# Altium PCB PROC054D_MMWCAS_RF_EVM_ASCII.PcbDoc (part 2 of 13)
Units mil, origin at the board's own origin, x right, y up, seen from the top; angles counter-clockwise.
Board outline 6299.21 x 5370.07 mil, 8 copper layers (L1 TOP, L2 GND, L3 SIGNAL 1, L4 GND, L5 SIGNAL 2, L6 SIGNAL 3, L7 GND, L8 BOTTOM), stack 53.5 mil thick; 775 components, 552 nets, 2648 pads, 7845 vias.
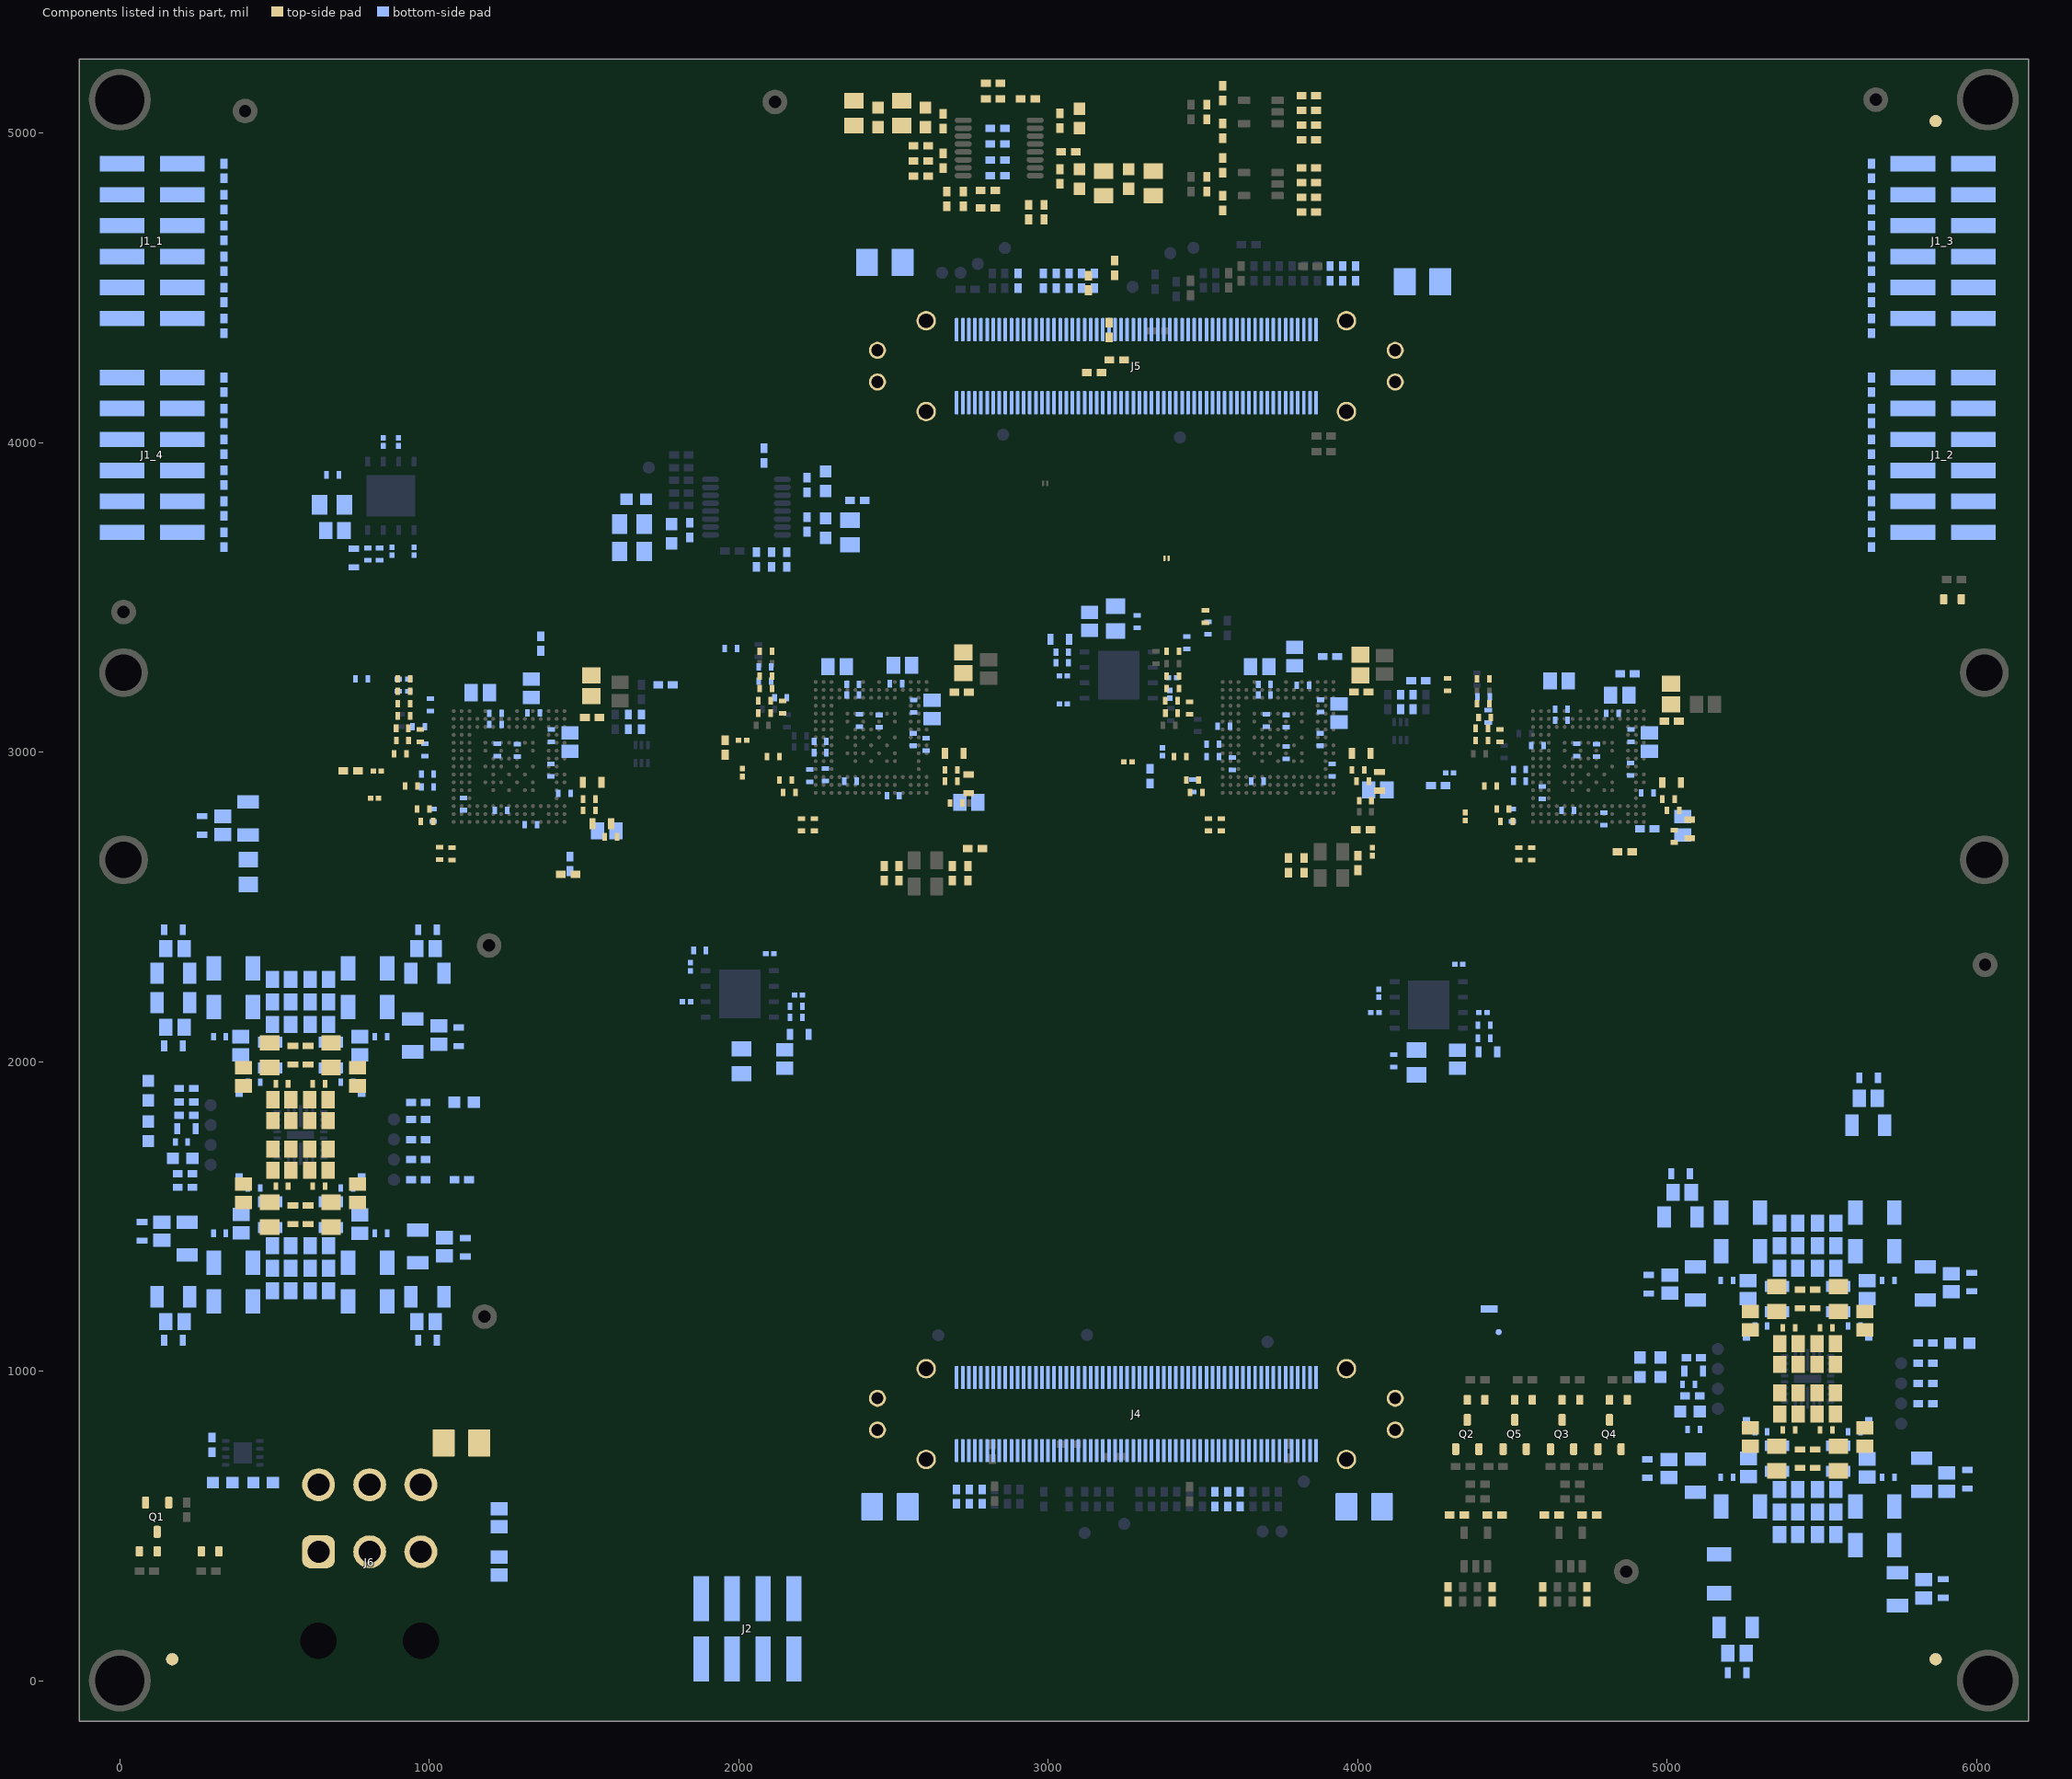
[diagram p8: the components of this part, seen from the top]

## Classes and differential pairs (continued)
net class "LC Power": AWR_1_1V0_RF1_FILT AWR_1_1V0_RF2_FILT AWR_1_1V2_FILT AWR_1_1V8_FILT AWR_2_1V0_RF1_FILT AWR_2_1V0_RF2_FILT AWR_2_1V2_FILT AWR_2_1V8_FILT AWR_3_1V0_RF1_FILT AWR_3_1V0_RF2_FILT AWR_3_1V2_FILT AWR_3_1V8_FILT AWR_4_1V0_RF1_FILT AWR_4_1V0_RF2_FILT AWR_4_1V2_FILT AWR_4_1V8_FILT
net class AWR_SYNC: AWR_1_DIG_SYNCIN AWR_1_DIG_SYNCIN_RS AWR_1_DIG_SYNCOUT AWR_2_DIG_SYNCIN AWR_2_DIG_SYNCIN_RS AWR_2_DIG_SYNCOUT AWR_3_DIG_SYNCIN AWR_3_DIG_SYNCIN_RS AWR_3_DIG_SYNCOUT AWR_4_DIG_SYNCIN AWR_4_DIG_SYNCIN_RS AWR_4_DIG_SYNCOUT DIG_SYNC_SOURCE DIG_SYNCOUT_RS_1 DIG_SYNCOUT_RS_2 DIG_SYNCOUT_RS_3 DIG_SYNCOUT_RS_4 EXT_DIG_SYNC
net class AWR_CLOCK: 40M_BUF_IN_PRIMAWRY 40M_BUF_IN_SECONDAWRY AWR_1_MCU_CLKOUT AWR_1_MCU_CLKOUT_CONN AWR_1_MCU_CLKOUT_RS AWR_1_OSC_CLKOUT AWR_1_OSC_CLKOUT_CONN AWR_1_PMIC_CLKOUT AWR_1_XTAL_CLKM AWR_1_XTAL_CLKP AWR_1_XTALP_RS AWR_2_MCU_CLKOUT AWR_2_OSC_CLKOUT AWR_2_PMIC_CLKOUT AWR_2_XTAL_CLKM AWR_2_XTAL_CLKP AWR_3_MCU_CLKOUT AWR_3_OSC_CLKOUT AWR_3_OSC_CLKOUT_CONN AWR_3_PMIC_CLKOUT AWR_3_XTAL_CLKM AWR_3_XTAL_CLKP AWR_3_XTALP_RS AWR_4_MCU_CLKOUT AWR_4_OSC_CLKOUT AWR_4_PMIC_CLKOUT AWR_4_XTAL_CLKM AWR_4_XTAL_CLKP BUF_CLKOUT1 BUF_CLKOUT1_RS BUF_CLKOUT2_RS BUF_CLKOUT3 BUF_CLKOUT3_RS BUF_CLKOUT4_RS EXT_40M_BUF_AWR_1_RS EXT_40MHZ_CLK_1V8 MCU_CLKOUT_RS_1 MCU_CLKOUT_RS_2 MCU_CLKOUT_RS_3 MCU_CLKOUT_RS_4 OSC_CLKOUT_RS_1 OSC_CLKOUT_RS_2 OSC_CLKOUT_RS_3 OSC_CLKOUT_RS_4 PMIC_CLKOUT_RS_1 PMIC_CLKOUT_RS_2 PMIC_CLKOUT_RS_3 PMIC_CLKOUT_RS_4
net class AWR_FMCW_20G: AWR_1_FMCW_CLKOUT AWR_1_FMCW_SYNCOUT AWR_2_FMCW_CLKOUT AWR_2_FMCW_SYNCOUT AWR_3_FMCW_CLKOUT AWR_3_FMCW_SYNCOUT AWR_4_FMCW_CLKOUT AWR_4_FMCW_SYNCOUT
net class 12XX_GENERAL: AWR_1_SPI_CLK1 AWR_1_SPI_CS1 AWR_1_SPI_HOST_INTR1 AWR_1_SPI_MISO1 AWR_1_SPI_MOSI1 AWR_2_SPI_CLK1 AWR_2_SPI_CS1 AWR_2_SPI_HOST_INTR1 AWR_2_SPI_MISO1 AWR_2_SPI_MOSI1 AWR_3_SPI_CLK1 AWR_3_SPI_CS1 AWR_3_SPI_HOST_INTR1 AWR_3_SPI_MISO1 AWR_3_SPI_MOSI1 AWR_4_SPI_CLK1 AWR_4_SPI_CS1 AWR_4_SPI_HOST_INTR1 AWR_4_SPI_MISO1 AWR_4_SPI_MOSI1 SPI_HOST_INTR1_RS_1 SPI_HOST_INTR1_RS_2 SPI_HOST_INTR1_RS_3 SPI_HOST_INTR1_RS_4 SPI_MISO1_RS_1 SPI_MISO1_RS_2 SPI_MISO1_RS_3 SPI_MISO1_RS_4
net class AWR_JTAG: AWR_1_TCK AWR_1_TDI AWR_1_TDO AWR_1_TMS AWR_2_TCK AWR_2_TDI AWR_2_TDO AWR_2_TMS AWR_3_TCK AWR_3_TDI AWR_3_TDO AWR_3_TMS AWR_4_TCK AWR_4_TDI AWR_4_TDO AWR_4_TMS TDO_RS_1 TDO_RS_2 TDO_RS_3 TDO_RS_4
net class "Back Drill Nets": AWR_1_FMCW_CLKOUT AWR_1_FMCW_SYNCOUT AWR_3_FMCW_CLKOUT
component class AWR_4: R174_4 R175_4 R176_4 R177_4 R178_4 R179_4 R180_4 R181_4 R182_4 R183_4 R184_4 R185_4
differential pair 12XX_4_LVDS_VALID: +AWR_4_LVDS_VALID_P -AWR_4_LVDS_VALID_N
differential pair 12XX_4_LVDS_FRCLK: +AWR_4_LVDS_FRCLK_P -AWR_4_LVDS_FRCLK_N
differential pair 12XX_4_CSI2_TX3: +AWR_4_CSI2_TX3_P -AWR_4_CSI2_TX3_N
differential pair 12XX_4_CSI2_TX2: +AWR_4_CSI2_TX2_P -AWR_4_CSI2_TX2_N
differential pair 12XX_4_CSI2_TX1: +AWR_4_CSI2_TX1_P -AWR_4_CSI2_TX1_N
differential pair 12XX_4_CSI2_TX0: +AWR_4_CSI2_TX0_P -AWR_4_CSI2_TX0_N
differential pair 12XX_4_CSI2_CLK: +AWR_4_CSI2_CLK_P -AWR_4_CSI2_CLK_N
differential pair 12XX_3_LVDS_VALID: +AWR_3_LVDS_VALID_P -AWR_3_LVDS_VALID_N
differential pair 12XX_3_LVDS_FRCLK: +AWR_3_LVDS_FRCLK_P -AWR_3_LVDS_FRCLK_N
differential pair 12XX_3_CSI2_TX3: +AWR_3_CSI2_TX3_P -AWR_3_CSI2_TX3_N
differential pair 12XX_3_CSI2_TX2: +AWR_3_CSI2_TX2_P -AWR_3_CSI2_TX2_N
differential pair 12XX_3_CSI2_TX1: +AWR_3_CSI2_TX1_P -AWR_3_CSI2_TX1_N
differential pair 12XX_3_CSI2_TX0: +AWR_3_CSI2_TX0_P -AWR_3_CSI2_TX0_N
differential pair 12XX_3_CSI2_CLK: +AWR_3_CSI2_CLK_P -AWR_3_CSI2_CLK_N
differential pair 12XX_2_LVDS_VALID: +AWR_2_LVDS_VALID_P -AWR_2_LVDS_VALID_N
differential pair 12XX_2_LVDS_FRCLK: +AWR_2_LVDS_FRCLK_P -AWR_2_LVDS_FRCLK_N
differential pair 12XX_2_CSI2_TX3: +AWR_2_CSI2_TX3_P -AWR_2_CSI2_TX3_N
differential pair 12XX_2_CSI2_TX2: +AWR_2_CSI2_TX2_P -AWR_2_CSI2_TX2_N
differential pair 12XX_2_CSI2_TX1: +AWR_2_CSI2_TX1_P -AWR_2_CSI2_TX1_N
differential pair 12XX_2_CSI2_TX0: +AWR_2_CSI2_TX0_P -AWR_2_CSI2_TX0_N
differential pair 12XX_2_CSI2_CLK: +AWR_2_CSI2_CLK_P -AWR_2_CSI2_CLK_N
differential pair 12XX_1_LVDS_VALID: +AWR_1_LVDS_VALID_P -AWR_1_LVDS_VALID_N
differential pair 12XX_1_LVDS_FRCLK: +AWR_1_LVDS_FRCLK_P -AWR_1_LVDS_FRCLK_N
differential pair 12XX_1_CSI2_TX3: +AWR_1_CSI2_TX3_P -AWR_1_CSI2_TX3_N
differential pair 12XX_1_CSI2_TX2: +AWR_1_CSI2_TX2_P -AWR_1_CSI2_TX2_N
differential pair 12XX_1_CSI2_TX1: +AWR_1_CSI2_TX1_P -AWR_1_CSI2_TX1_N
differential pair 12XX_1_CSI2_TX0: +AWR_1_CSI2_TX0_P -AWR_1_CSI2_TX0_N
differential pair " ": +AWR_1_CSI2_CLK_P -AWR_1_CSI2_CLK_N

## Components (designator, comment, footprint, x,y, rotation, side; value= is the part's Value field where it differs from the comment)
C1_1 "GCM188R71C105KA64D" 0603S 2742.78,2897.55 r90 top locked (schematic designator C1)
C1_2 "GCM188R71C105KA64D" 0603S 5073.3,2751.83 r270 top locked (schematic designator C1)
C1_3 "GCM188R71C105KA64D" 0603S 4070.8,2905.83 r90 top locked (schematic designator C1)
C1_4 "GCM188R71C105KA64D" 0603S 1557.76,2768.38 r0 top locked (schematic designator C1)
C2_1 "GCM155R71C224KE02D" 0402S 2563.59,3040.51 r90 bottom locked (schematic designator C2)
C2_2 "GCM155R71C224KE02D" 0402S 4881.59,2945.09 r90 bottom locked (schematic designator C2)
C2_3 "GCM155R71C224KE02D" 0402S 3878.59,3040.51 r90 bottom locked (schematic designator C2)
C2_4 "GCM155R71C224KE02D" 0402S 1393,2941.71 r90 bottom locked (schematic designator C2)
C3_1 "GCM188R71C105KA64D" 0603S 2696.55,2995.81 r0 top locked (schematic designator C3)
C3_2 "GCM188R71C105KA64D" 0603S 5014.55,2901.32 r0 top locked (schematic designator C3)
C3_3 "GCM188R71C105KA64D" 0603S 4011.55,2995.81 r0 top locked (schematic designator C3)
C3_4 "GCM188R71C105KA64D" 0603S 1526.55,2902.31 r0 top locked (schematic designator C3)
C4_1 "GCM155R71C224KE02D" 0402 2720.13,3194 r0 top locked (schematic designator C4)
C4_2 "GCM155R71C224KE02D" 0402 5014.43,3100.3 r0 top locked (schematic designator C4)
C4_3 "GCM155R71C224KE02D" 0402 4011.43,3194.3 r0 top locked (schematic designator C4)
C4_4 "GCM155R71C224KE02D" 0402 1526.43,3112.3 r0 top locked (schematic designator C4)
C5_1 "GCM21BR71A106KE22L" 0805 2725.58,3288.52 r90 top locked (schematic designator C5)
C5_2 "GCM21BR71A106KE22L" 0805 5012.4,3187.53 r90 top locked (schematic designator C5)
C5_3 "GCM21BR71A106KE22L" 0805 4008.9,3281.53 r90 top locked (schematic designator C5)
C5_4 "GCM21BR71A106KE22L" 0805 1523.9,3214.53 r90 top locked (schematic designator C5)
C6_1 "GCM21BR71A106KE22L" 0805L 2148.35,2008.07 r270 bottom locked (schematic designator C6)
C6_2 "GCM21BR71A106KE22L" 0805L 4322.67,2007.69 r270 bottom locked (schematic designator C6)
C6_3 "GCM21BR71A106KE22L" 0805L 3133.93,3422.47 r90 bottom locked (schematic designator C6)
C6_4 "GCM21BR71A106KE22L" 0805L 694.69,3715.83 r180 bottom locked (schematic designator C6)
C7_1 "GCM188R71C105KA64D" 0603S 2195.91,2087.69 r0 bottom locked (schematic designator C7)
C7_2 "GCM188R71C105KA64D" 0603S 4421.14,2031.28 r0 bottom locked (schematic designator C7)
C7_3 "GCM188R71C105KA64D" 0603S 3037.86,3364.87 r180 bottom locked (schematic designator C7)
C7_4 "GCM188R71C105KA64D" 0603S 756.26,3626.9 r270 bottom locked (schematic designator C7)
C8_1 "CGA2B3X7R1H104K050BB" 0402S 2185.91,2143.45 r0 bottom locked (schematic designator C8)
C8_2 "CGA2B3X7R1H104K050BB" 0402S 4408.64,2075.26 r0 bottom locked (schematic designator C8)
C8_3 "CGA2B3X7R1H104K050BB" 0402S 3045.36,3323.4 r180 bottom locked (schematic designator C8)
C8_4 "CGA2B3X7R1H104K050BB" 0402S 802,3639.4 r270 bottom locked (schematic designator C8)
C9 "GCM155R71C104KA55D" 0402 297.71,761.49 r90 bottom locked
C10 "GCM21BR71A106KE22L" 0805L 522.33,1259.8 r0 bottom locked
C11 "GCM31CR71A226KE02" 1206_180L 173.03,1240.08 r180 bottom locked
C12 "GCM21BR71A106KE22L" 0805L 178.04,1160.14 r180 bottom locked
C13 "GCM188R71C105KA64J" 0603S 173.04,1099.98 r180 bottom locked
C14 "GCM21BR71A106KE22L" 0805L 522.33,2193.13 r0 bottom locked
C15 "GCM31CR71A226KE02" 1206_180L 173.03,2190.59 r180 bottom locked
C16 "GCM21BR71A106KE22L" 0805L 178.04,2110.65 r180 bottom locked
C17 "GCM188R71C105KA64J" 0603S 173.04,2050.48 r180 bottom locked
C18 "GCM31CR71A226KE02" 1206_180L 414.55,2785.62 r90 bottom locked
C19 "GCM21BR71A106KE22L" 0805L 332.11,2762.78 r90 bottom locked
C20 "GCM188R71C105KA64J" 0603S 265.9,2763.05 r90 bottom locked
C21 "GCM31CR71A226KE02" 1206_180L 217.55,1428.37 r90 bottom locked
C22 "GCM31CR71A226KE02" 1206_180L 962.95,1403.1 r90 bottom locked
C23 "GCM21BR71A106KE22L" 0805L 1049.07,1401.66 r90 bottom locked
C24 "GCM31CR71A226KE02" 1206_180L 994.04,1240.08 r0 bottom locked
C25 "GCM21BR71A106KE22L" 0805L 644.75,1332.8 r180 bottom locked
C26 "GCM188R71C105KA64J" 0603S 1116.49,1399.97 r90 bottom locked
C27 "GCM21BR71A106KE22L" 0805L 644.75,1259.8 r180 bottom locked
C28 "GCM188R71C105KA64J" 0603S 994.03,1099.98 r0 bottom locked
C29 "GCM21BR71A106KE22L" 0805L 135.75,1452 r90 bottom locked
C30 "GCM31CR71A226KE02" 1206_180L 994.04,2285.85 r0 bottom locked
C31 "GCM21BR71A106KE22L" 0805L 989.03,2365.79 r0 bottom locked
C32 "GCM21BR71A106KE22L" 0805L 989.03,1160.14 r0 bottom locked
C33 "GCM21BR71A106KE22L" 0805L 644.75,2266.12 r180 bottom locked
C34 "GCM188R71C105KA64J" 0603S 994.03,2425.95 r0 bottom locked
C35 "GCM21BR71A106KE22L" 0805L 644.75,2193.13 r180 bottom locked
C36 "GCM188R71C105KA64J" 0603S 1095.23,2080.31 r270 bottom locked
C37 "GCM155R71H391KA37D" 0402S 733.8,1591.98 r0 bottom locked
C38 "GCM155R71H391KA37D" 0402S 433.28,1591.98 r180 bottom locked
C39 "GCM188R72A682KA37D" 0603S 608.24,1505.01 r90 top locked
C40 "GRM21BR60J107M" 0805L 643.44,1716.98 r180 top locked
C41 "GRM21BR60J107M" 0805L 768.09,1574.81 r90 top locked
C42 "GCM155R71C104JA55D" 0402S 643.45,1597.62 r180 top locked
C43 "GRM21BR71A106KA73L" 0805L 643.44,1648.99 r180 top locked
C44 "GCM188R72A682KA37D" 0603S 558.83,1505.01 r90 top locked
C45 "GRM21BR60J107M" 0805L 523.64,1716.98 r0 top locked
C46 "GRM21BR60J107M" 0805L 398.98,1574.81 r90 top locked
C47 "GCM155R71C104JA55D" 0402S 523.63,1597.62 r0 top locked
C48 "GRM21BR71A106KA73L" 0805L 523.64,1649.43 r0 top locked
C49 "GCM155R71H391KA37D" 0402S 733.8,1933.94 r0 bottom locked
C50 "GCM155R71H391KA37D" 0402S 433.28,1933.94 r180 bottom locked
C51 "GCM188R72A682KA37D" 0603S 608.24,2020.91 r270 top locked
C52 "GRM21BR60J107M" 0805L 643.44,1808.94 r180 top locked
C53 "GRM21BR60J107M" 0805L 768.09,1951.12 r270 top locked
C54 "GCM155R71C104JA55D" 0402S 643.45,1928.3 r180 top locked
C55 "GRM21BR71A106KA73L" 0805L 643.44,1876.94 r180 top locked
C56 "GCM188R72A682KA37D" 0603S 558.83,2020.91 r270 top locked
C57 "GRM21BR60J107M" 0805L 398.98,1951.12 r270 top locked
C58 "GRM21BR60J107M" 0805L 523.64,1808.94 r0 top locked
C59 "GCM155R71C104JA55D" 0402S 523.63,1928.3 r0 top locked
C60 "GRM21BR71A106KA73L" 0805L 523.64,1876.94 r0 top locked
C61 "C2012X7S1A226M125AC" 0805L 644.75,1405.79 r180 bottom locked
C62 "C2012X7S1A226M125AC" 0805L 775.98,1474.81 r90 bottom locked
C63 "GCM155R71C104JA55D" 0402S 199.53,1739.74 r180 bottom locked
C64 "C2012X7S1A226M125AC" 0805L 522.33,1405.79 r0 bottom locked
C65 "C2012X7S1A226M125AC" 0805L 392.43,1476.14 r90 bottom locked
C66 "C2012X7S1A226M125AC" 0805L 775.98,2051.12 r270 bottom locked
C67 "C2012X7S1A226M125AC" 0805L 644.75,2120.14 r180 bottom locked
C68 "C2012X7S1A226M125AC" 0805L 391.09,2051.12 r270 bottom locked
C69 "C2012X7S1A226M125AC" 0805L 522.33,2120.14 r0 bottom locked
C70 "GCM21BR71A106KE22L" 0805L 5393.06,544.94 r0 bottom locked
C71 "GCM31CR71A226KE02" 1206_180L 5091.14,662.09 r90 bottom locked
C72 "GCM21BR71A106KE22L" 0805L 5006.37,685.13 r90 bottom locked
C73 "GCM188R71C105KA64J" 0603S 4936.41,685.13 r90 bottom locked
C74 "GCM21BR71A106KE22L" 0805L 5393.06,1478.27 r0 bottom locked
C75 "GCM31CR71A226KE02" 1206_180L 5043.76,1497.99 r180 bottom locked
C76 "GCM21BR71A106KE22L" 0805L 5048.77,1577.93 r180 bottom locked
C77 "GCM188R71C105KA64J" 0603S 5043.77,1638.09 r180 bottom locked
C78 "GCM188R71C105KA64J" 0603S 71.91,1451.54 r90 bottom locked
C79 "GCM31CR71A226KE02" 1206_180L 5744.45,295.52 r270 bottom locked
C80 "GCM21BR71A106KE22L" 0805L 5829.19,296.85 r270 bottom locked
C81 "GCM31CR71A226KE02" 1206_180L 946.37,2084.69 r270 bottom locked
C82 "GCM21BR71A106KE22L" 0805L 5515.47,471.95 r180 bottom locked
C83 "GCM188R71C105KA64J" 0603S 5892.71,297.42 r270 bottom locked
C84 "GCM21BR71A106KE22L" 0805L 5515.47,544.94 r180 bottom locked
C85 "GCM188R71C105KA64J" 0603S 5970.63,650.66 r90 bottom locked
C86 "GCM21BR71A106KE22L" 0805L 522.33,2266.12 r0 bottom locked
C87 "GCM31CR71A226KE02" 1206_180L 5834.15,1283.42 r270 bottom locked
C88 "GCM21BR71A106KE22L" 0805L 5918.7,1285.61 r270 bottom locked
C89 "GCM21BR71A106KE22L" 0805L 1030.65,2085.79 r270 bottom locked
C90 "GCM21BR71A106KE22L" 0805L 5515.47,1405.27 r180 bottom locked
C91 "GCM188R71C105KA64J" 0603S 5984.53,1287.79 r270 bottom locked
C92 "GCM21BR71A106KE22L" 0805L 5515.47,1478.27 r180 bottom locked
C93 "GCM188R71C105KA64J" 0603S 5651.36,1947.85 r180 bottom locked
C94 "CGA2B3X7R1H104K050BB" 0402 3564.27,4896.25 r90 top locked
C95 "GCM155R71H391KA37D" 0402S 5604.52,804.13 r0 bottom locked
C96 "GCM155R71H391KA37D" 0402S 5304,804.13 r180 bottom locked
C97 "GCM188R72A682KA37D" 0603S 5429.56,1233.05 r270 top locked
C98 "GRM21BR60J107M" 0805L 5638.82,786.95 r90 top locked
C99 "GRM21BR60J107M" 0805L 5514.16,929.12 r180 top locked
C100 "GCM155R71C104JA55D" 0402S 5514.17,809.77 r180 top locked
C101 "GRM21BR71A106KA73L" 0805L 5514.16,861.13 r180 top locked
C102 "GCM188R72A682KA37D" 0603S 5478.97,717.16 r90 top locked
C103 "GRM21BR60J107M" 0805L 5269.71,786.95 r90 top locked
C104 "GRM21BR60J107M" 0805L 5394.36,929.12 r0 top locked
C105 "GCM155R71C104JA55D" 0402S 5394.35,809.77 r0 top locked
C106 "GRM21BR71A106KA73L" 0805L 5394.36,861.58 r0 top locked
C107 "GCM155R71H391KA37D" 0402S 5604.52,1146.09 r0 bottom locked
C108 "GCM155R71H391KA37D" 0402S 5304,1146.09 r180 bottom locked
C109 "GCM188R72A682KA37D" 0603S 5429.56,717.16 r90 top locked
C110 "GRM21BR60J107M" 0805L 5638.82,1163.26 r270 top locked
C111 "GRM21BR60J107M" 0805L 5514.16,1021.09 r180 top locked
C112 "GCM155R71C104JA55D" 0402S 5514.17,1140.45 r180 top locked
C113 "GRM21BR71A106KA73L" 0805L 5514.16,1089.08 r180 top locked
C114 "GCM188R72A682KA37D" 0603S 5478.97,1233.05 r270 top locked
C115 "GRM21BR60J107M" 0805L 5269.71,1163.26 r270 top locked
C116 "GRM21BR60J107M" 0805L 5394.36,1021.09 r0 top locked
C117 "GCM155R71C104JA55D" 0402S 5394.35,1140.45 r0 top locked
C118 "GRM21BR71A106KA73L" 0805L 5394.36,1089.08 r0 top locked
C119 "C2012X7S1A226M125AC" 0805L 5515.47,617.93 r180 bottom locked
C120 "C2012X7S1A226M125AC" 0805L 5646.71,686.95 r90 bottom locked
C121 "GCM155R71C104JA55D" 0402S 5070.26,956.89 r180 bottom locked
C122 "C2012X7S1A226M125AC" 0805L 5393.06,617.93 r0 bottom locked
C123 "C2012X7S1A226M125AC" 0805L 5263.16,688.29 r90 bottom locked
C124 "C2012X7S1A226M125AC" 0805L 5646.71,1263.26 r270 bottom locked
C125 "C2012X7S1A226M125AC" 0805L 5515.47,1332.28 r180 bottom locked
C126 "C2012X7S1A226M125AC" 0805L 5261.82,1263.26 r270 bottom locked
C127 "C2012X7S1A226M125AC" 0805L 5393.06,1332.28 r0 bottom locked
C128_1 "GCM155R71C224KE02D" 0402S 2507.72,3221.01 r0 bottom locked (schematic designator C128)
C128_2 "GCM155R71C224KE02D" 0402S 4823.23,3125.03 r0 bottom locked (schematic designator C128)
C128_3 "GCM155R71C224KE02D" 0402S 3704.89,3101.69 r270 bottom locked (schematic designator C128)
C128_4 "GCM155R71C224KE02D" 0402S 1337.72,3127.01 r0 bottom locked (schematic designator C128)
C129_1 "GCM155R71C224KE02D" 0402S 2389.89,3101.69 r270 bottom locked (schematic designator C129)
C129_2 "GCM155R71C224KE02D" 0402S 4707.89,3007.69 r270 bottom locked (schematic designator C129)
C129_3 "GCM155R71C224KE02D" 0402S 3822.72,3216.01 r0 bottom locked (schematic designator C129)
C129_4 "GCM155R71C224KE02D" 0402S 1219.89,3007.69 r270 bottom locked (schematic designator C129)
C130_1 "GCM21BR71A106KE22L" 0805L 2529.43,3280.8 r0 bottom locked (schematic designator C130)
C130_2 "GCM21BR71A106KE22L" 0805L 4847.43,3183.8 r0 bottom locked (schematic designator C130)
C130_3 "GCM21BR71A106KE22L" 0805L 3796.42,3308.91 r90 bottom locked (schematic designator C130)
C130_4 "GCM21BR71A106KE22L" 0805L 1329.9,3206.33 r90 bottom locked (schematic designator C130)
C131_1 "GCM155R71C224KE02D" 0402S 2686.84,2942.02 r0 top locked (schematic designator C131)
C131_2 "GCM155R71C224KE02D" 0402S 5004.84,2848.02 r0 top locked (schematic designator C131)
C131_3 "GCM155R71C224KE02D" 0402S 4016.84,2906.06 r0 top locked (schematic designator C131)
C131_4 "GCM155R71C224KE02D" 0402S 1516.84,2848.02 r0 top locked (schematic designator C131)
C132_1 "GCM155R71C224KE02D" 0402S 2686.84,2906.06 r0 top locked (schematic designator C132)
C132_2 "GCM155R71C224KE02D" 0402S 5019.84,2812.06 r0 top locked (schematic designator C132)
C132_3 "GCM155R71C224KE02D" 0402S 4001.84,2942.02 r0 top locked (schematic designator C132)
C132_4 "GCM155R71C224KE02D" 0402S 1516.84,2812.06 r0 top locked (schematic designator C132)
C133_1 "GCM21BR71A106KE22L" 0805L 2743.75,2837.89 r0 bottom locked (schematic designator C133)
C133_2 "GCM21BR71A106KE22L" 0805L 5050.19,2762.16 r270 bottom locked (schematic designator C133)
C133_3 "GCM21BR71A106KE22L" 0805L 4065.03,2878.26 r0 bottom locked (schematic designator C133)
C133_4 "GCM21BR71A106KE22L" 0805L 1573.1,2745.99 r0 bottom locked (schematic designator C133)
C134_1 "GCM155R71C224KE02D" 0402S 2605.98,3025.49 r90 bottom locked (schematic designator C134)
C134_2 "GCM155R71C224KE02D" 0402S 4936.09,2868 r0 bottom locked (schematic designator C134)
C134_3 "GCM155R71C224KE02D" 0402S 3918.09,2942 r270 bottom locked (schematic designator C134)
C134_4 "GCM155R71C224KE02D" 0402S 1437.23,2867 r0 bottom locked (schematic designator C134)
C135_1 "GCM155R71C224KE02D" 0402S 2361.3,2906 r180 bottom locked (schematic designator C135)
C135_2 "GCM155R71C224KE02D" 0402S 4679.3,2812 r180 bottom locked (schematic designator C135)
C135_3 "GCM155R71C224KE02D" 0402S 3676.3,2906 r180 bottom locked (schematic designator C135)
C135_4 "GCM155R71C224KE02D" 0402S 1231.3,2812 r0 bottom locked (schematic designator C135)
C136_1 "GCM155R71C224KE02D" 0402S 2454.38,3100.07 r270 bottom locked (schematic designator C136)
C136_2 "GCM155R71C224KE02D" 0402S 4772.38,3006.07 r270 bottom locked (schematic designator C136)
C136_3 "GCM155R71C224KE02D" 0402S 3769.38,3100.07 r270 bottom locked (schematic designator C136)
C136_4 "GCM155R71C224KE02D" 0402S 1284.38,3006.07 r270 bottom locked (schematic designator C136)
C137_1 "GCM155R71C224KE02D" 0402S 2369.09,3184.18 r180 bottom locked (schematic designator C137)
C137_2 "GCM155R71C224KE02D" 0402S 4659,3103.53 r180 bottom locked (schematic designator C137)
C137_3 "GCM155R71C224KE02D" 0402S 3699.09,3218.8 r180 bottom locked (schematic designator C137)
C137_4 "GCM155R71C224KE02D" 0402S 1214.09,3090.18 r180 bottom locked (schematic designator C137)
C138_1 "GCM155R71C224KE02D" 0402S 2369.09,3218.8 r180 bottom locked (schematic designator C138)
C138_2 "GCM155R71C224KE02D" 0402S 4659,3138.15 r180 bottom locked (schematic designator C138)
C138_3 "GCM155R71C224KE02D" 0402S 3699.09,3184.18 r180 bottom locked (schematic designator C138)
C138_4 "GCM155R71C224KE02D" 0402S 1214.09,3124.8 r180 bottom locked (schematic designator C138)
C139_1 "GCM21BR71A106KE22L" 0805L 2318.38,3275.59 r180 bottom locked (schematic designator C139)
C139_2 "GCM21BR71A106KE22L" 0805L 4651.52,3229.77 r180 bottom locked (schematic designator C139)
C139_3 "GCM21BR71A106KE22L" 0805L 3683.72,3276.04 r180 bottom locked (schematic designator C139)
C139_4 "GCM21BR71A106KE22L" 0805L 1164.56,3192.04 r180 bottom locked (schematic designator C139)
C140_1 "GCM155R71C224KE02D" 0402S 2564.98,3147.69 r270 bottom locked (schematic designator C140)
C140_2 "GCM155R71C224KE02D" 0402S 4882.98,3053.69 r270 bottom locked (schematic designator C140)
C140_3 "GCM155R71C224KE02D" 0402S 3879.98,3149.11 r270 bottom locked (schematic designator C140)
C140_4 "GCM155R71C224KE02D" 0402S 1394.98,3053.69 r270 bottom locked (schematic designator C140)
C141_1 "GCM21BR71A106KE22L" 0805L 2624.84,3138.16 r270 bottom locked (schematic designator C141)
C141_2 "GCM21BR71A106KE22L" 0805L 4942.98,3032.5 r270 bottom locked (schematic designator C141)